# KiCad board TRS80IJP_1.kicad_pcb (continued)
## Routing (per net, layer and track width the routed paths; a pad name or vN(x,y) marks a point on that pad's centre or on a via; arc(x,y) is an arc through that point) (continued)
  Bottom w1.5: CN1.3 396.87,4.17 CN2.3
/CPU/A6: length 633
  Top w0.25: v1(396.85,32.87) 388.19,32.87 386.65,31.33 v1(386.65,30.85) 386.64,30.86 363.74,30.86 363.28,30.4 358.38,30.4 357.87,30.91 352.15,30.91 350.75,32.31 Z68.3 ; 108.45,106.21 108.53,106.13 109.94,106.13 109.95,106.14 ; v1(113.53,106.14) 109.95,106.14 ; 109.95,106.14 109.93,106.12 ; v1(374.12,171.91) 375.65,173.44 E1.38 ; v1(114.39,91.52) 114.41,91.54 124.06,91.54 125.58,90.14 144.69,90.2 144.79,90.19 157.97,90.27 157.98,90.28 159.09,90.28 171.54,77.83 174.72,77.83 177.02,75.54 Z41.2 181.74,75.54 182.94,74.33 188.64,74.33 190,75.61 Z42.2 195.38,75.61 196.65,74.34 202.69,74.34 203.07,74.72 205,74.72 205.3,74.42 210.44,74.42 211.74,75.65 211.79,75.61 Z43.2 v1(224.04,75.61)
  Bottom w0.25: 387.27,4.68 387.27,30.28 386.7,30.85 v1(386.65,30.85) ; v1(396.85,32.87) 396.85,41.21 395.26,42.8 395.29,52.52 395.3,53.57 395.3,54.26 384.62,64.94 384.84,77.29 386.13,80.55 386.31,140.2 386.28,140.79 386.22,141.38 381.55,144.2 380.31,144.96 378.46,146.05 378.17,146.34 378.17,165.44 374.12,169.49 v1(374.12,171.91) ; Z68.3 346.04,32.26 347.06,32.26 348.79,30.53 348.79,21.26 348.7,13.55 348.63,13.39 346.99,11.75 318.35,11.69 312.66,15.36 301.46,15.25 294.3,6.76 232.11,6.36 228.95,9.44 228.74,34.5 228.39,35 228.46,44.4 222.9,48.88 223.43,74.73 223.43,75 v1(224.04,75.61) ; Z13.11 186.46,103.16 186.09,86.17 187.18,85.04 191.6,85.04 195.3,81.34 195.3,77.26 Z42.2 ; v1(114.39,91.52) 114.39,93.46 113.41,94.44 113.41,106.02 v1(113.53,106.14)
  Bottom w1.5: CN2.7 386.86,4.17 386.88,4.19
/CPU/A7: length 626.6
  Top w0.25: 108.45,113.83 114.83,113.83 v1(114.86,113.8) ; v1(114.84,95.15) 114.97,95.02 114.97,94.18 116.62,92.53 124.38,92.53 125.95,90.96 159.74,90.96 172.01,78.69 175.75,78.69 176.38,78.06 176.4,78.08 Z41.1 181.58,78.08 182.73,76.92 188.71,76.92 190,78.21 192.82,78.21 192.85,78.24 193.56,78.24 Z42.1 199.14,78.15 v1(200.29,77) 210.5,77 211.68,78.15 Z43.1 219.55,78.15 v1(219.65,78.25) ; v1(391.8,34.68) 391.56,34.44 386.21,34.44 v1(383.98,32.21) 363.94,32.21 362.22,33.93 359.3,33.93 357.68,32.31 Z68.18 ; v1(372.21,168.85) 372.21,172.51 373.11,173.41 E1.36
  Bottom w0.25: Z14.3 194.32,109.31 194.32,86.58 200.29,80.61 v1(200.29,77) ; Z68.18 349.69,29.14 349.43,13.03 347.28,10.88 315.27,10.78 309.03,4.35 298.87,4.35 296.34,6.05 231.79,5.69 228.09,9.21 228.09,34.27 227.61,34.75 227.63,44.01 222.15,48.6 222.5,74.93 222.49,75.28 219.65,78.12 v1(219.65,78.25) ; v1(372.21,168.85) 376.25,164.81 376.25,145.26 379.28,143.39 383.9,140.72 384.13,140.46 384.08,81.06 382.79,77.71 382.69,64.26 391.56,55.05 391.56,34.92 v1(391.8,34.68) ; v1(114.84,95.15) 115.75,96.06 115.75,112.91 v1(114.86,113.8) ; v1(383.98,32.21) 384.73,31.46 384.73,4.68
  Bottom w1.5: CN2.8 384.36,4.16 384.38,4.19
/CPU/A8: length 702.6
  Top w0.25: v1(360.63,147.34) 357.48,147.34 355.15,149.67 350.77,149.67 349.37,148.27 342.66,148.27 v1(342.04,147.65) ; v1(197.26,75.85) 197.5,75.61 Z42.23 210.46,75.61 211.74,76.89 220.75,76.89 220.99,77.13 227.55,77.13 Z43.23 ; v1(156.96,4.5) 156.96,3.61 157.95,2.62 204.13,2.57 212.57,7.11 v1(213.24,7.92) 214.06,8.74 216.86,8.74 217.57,8.03 217.57,6.08 218.83,4.82 296.44,4.82 298.03,3.23 309.18,3.23 315.05,9.1 327.74,9.1 329.57,7.27 372.81,7.32 375.65,11.31 375.85,11.69 378.9,11.69 v1(378.94,11.73) ; Z14.6 190.78,105.23 190.19,105.23 189.08,106.35 167.96,106.35 166.35,107.95 166.35,109.1 164.25,111.2 161.91,111.2 160.69,109.98 v1(159.3,109.98) ; 100.83,116.37 v1(104.04,116.37) ; v1(379.37,53.2) 378.94,52.78 353.56,52.78
  Bottom w0.25: E1.11 343.13,178.34 343.13,170.42 342.39,169.68 342.39,156.89 341.13,155.63 341.13,148.56 v1(342.04,147.65) ; v1(104.04,116.37) 104.04,119.49 106.7,122.15 155.8,122.15 157.52,120.43 157.52,111.76 v1(159.3,109.98) ; v1(197.26,75.85) 197.36,75.95 197.36,80.47 192.6,85.23 192.6,103.41 Z14.6 ; v1(213.24,7.92) 213.24,9.03 212.54,9.73 212.54,30.63 211.2,31.97 211.2,40.65 211.39,40.84 211.39,74.4 210.18,75.61 Z42.23 ; v1(378.94,11.73) 379.16,11.95 379.16,37.96 380.18,38.98 380.18,52.39 v1(379.37,53.2) 378.78,53.79 378.84,59.24 376.89,61.85 376.92,79.86 378.45,83.21 378.51,101.84 375.61,104.01 375.59,118.46 375.62,119.46 359.31,137.75 359.31,146.02 v1(360.63,147.34)
/CPU/A9: length 726.7
  Top w0.25: v1(380.56,58.21) 355.06,58.21 354.71,57.86 353.56,57.86 ; Z43.22 222.01,73.07 220.63,74.45 211.73,74.45 210.35,73.07 Z42.22 203.91,73.07 v1(203.87,73.11) ; v1(154.43,4.66) 154.43,5.36 155.55,6.48 158.17,6.48 161.33,3.32 203.11,3.32 203.99,3.34 211.01,8.22 211.01,8.9 v1(211.06,8.95) 211.76,9.65 217.49,9.65 218.37,8.77 218.37,6.84 218.27,6.74 218.27,6.67 219.28,5.66 296.9,5.66 298.63,3.93 308.78,3.93 314.8,9.95 328.35,9.95 330.29,8.01 371.58,8.01 374.91,12.95 375.32,13.68 v1(380.29,13.72) ; v1(198.85,89.45) 198.31,89.99 168.64,89.99 v1(166.94,88.29) ; v1(361.55,144.77) 361.15,144.37 346.8,144.37 v1(346.75,144.32)
  Bottom w0.25: v1(166.94,88.29) 166.94,90.64 164.67,92.91 164.67,118.55 160.25,122.97 106.34,122.97 102.58,119.21 102.58,110.11 101.22,108.75 100.83,108.75 ; Z42.22 209.87,73.07 210.51,72.43 210.51,62.94 210.63,62.82 210.63,41.8 210.38,41.55 210.38,31.31 211.33,30.36 211.33,9.22 v1(211.06,8.95) ; v1(203.87,73.11) 204.19,73.43 204.19,84.11 v1(198.85,89.45) 196.98,96.08 197,100.69 Z14.10 ; v1(346.75,144.32) 349.17,146.74 349.17,158.09 350.37,159.29 350.37,170.01 349.76,170.62 349.76,172.63 350.25,173.12 E1.17 ; v1(361.55,144.77) 360.26,143.79 360.19,138.01 376.54,119.78 376.52,104.69 376.48,104.65 378.81,102.75 379.33,102.33 379.27,83.17 377.88,79.07 377.85,62.21 380.56,58.41 v1(380.56,58.21) 381.41,57.36 381.41,38.82 380.29,37.7 v1(380.29,13.72)
/CPU/D0: length 517.9
  Top w0.25: v1(174.11,83.41) 188.2,83.41 189.64,84.85 191.49,84.85 193.09,83.25 222.98,83.25 224.18,82.05 246.06,82.05 248.38,80.56 249.7,79.69 253.22,77.26 253.91,76.81 254.42,76.46 265.91,76.46 266.9,77.45 278.6,77.45 279.73,78.58 285.41,78.58 286.49,77.5 286.78,77.5 286.8,77.52 291.52,77.52 294.01,75.03 303.31,75.03 v1(304.36,76.08) ; Z12.12 169.25,97.31 168.23,98.33 v1(166.42,98.33) ; Z24.13 353.53,115.04 351.24,115.04 349.96,116.32 342.34,116.32 341.18,115.16 Z23.17 336.02,115.16 334.62,113.76 318.18,113.76 316.85,115.09 Z22.2 ; v1(376.62,132.43) 376.06,131.87 359.22,131.72 356.23,132.99 RP1.7 353.48,133.08 353.15,132.75 349.55,132.63 346.72,131.46 342.38,131.44 341.73,132.09 336.35,132.09 v1(335.87,131.61) ; E1.30 365.49,171.23 v1(362.94,168.68)
  Bottom w0.25: v1(304.36,76.08) 305.13,76.85 305.13,80.54 303.53,82.14 303.53,85 305.2,85.93 307.67,87.37 308.44,88.14 308.44,109.08 308.42,109.1 308.42,110.49 Z22.2 ; Z4.13 45.74,113.04 45.74,120.37 48.74,123.37 54.16,123.37 58.64,127.85 73.96,127.93 76.27,125.57 107.56,125.37 109.22,123.79 160.67,123.8 165.6,119.03 165.6,98.89 166.16,98.33 v1(166.42,98.33) ; v1(362.94,168.68) 369.39,163.48 371.6,161.7 371.6,142.4 371.62,142.38 376.4,139.61 379.1,138.02 379.1,134.91 v1(376.62,132.43) ; Z12.12 173.03,94.92 173.03,86.18 174.11,85.1 v1(174.11,83.41) ; v1(335.87,131.61) 335.87,117.71 338.3,115.28 338.3,115.1
/CPU/D1: length 517.5
  Top w0.25: v1(310.58,117.86) 309.07,116.35 302.3,116.35 301.04,115.09 301.03,115.1 Z21.2 ; Z24.3 338.18,117.63 Z23.18 335.66,117.7 334.19,116.23 325.43,116.23 v1(325.22,116.43) ; v1(172.01,84.48) 172.47,84.94 173.3,84.94 173.33,84.91 188.35,84.91 189.15,85.71 192.2,85.71 193.78,84.13 223.54,84.13 224.8,82.87 246.03,82.82 246.67,82.76 255.01,77.34 265.44,77.49 266.31,78.36 278.37,78.36 279.68,79.67 286.18,79.67 287.3,78.55 292,78.55 293.35,77.2 v1(295.23,77.2) ; Z12.11 170.4,95.01 v1(166.89,95.01) ; v1(353.97,168.7) 353.97,172.4 355.33,173.76 E1.22 ; v1(362.22,141.8) 361.12,140.7 RP1.4 336.65,140.7 v1(336.63,140.72) ; v1(310.46,127.13) 312.74,129.41 v1(325.26,129.41)
  Bottom w0.25: Z12.11 172.01,93.4 v1(172.01,84.48) ; v1(336.63,140.72) 336.61,140.7 336.61,134.33 337.81,133.13 337.81,124.8 336.82,123.81 336.82,119.12 338.3,117.64 ; v1(310.58,117.86) 310.46,117.98 v1(310.46,127.13) ; Z21.2 296.16,113.58 296.16,89.45 297.58,88.03 297.58,81.29 295.23,78.94 v1(295.23,77.2) ; v1(325.26,129.41) 325.82,128.85 325.82,117.03 v1(325.22,116.43) ; v1(362.22,141.8) 363.14,142.72 363.14,142.99 363.01,143.12 363.01,148.5 362.42,149.09 362.59,158.7 356.55,163.35 356.05,163.7 355.37,164.2 353.97,165.37 v1(353.97,168.7) ; Z4.12 44.79,111.45 44.79,120.9 48.23,124.34 53.96,124.34 58.24,128.62 74.42,128.62 76.72,126.32 108.24,126.32 109.86,124.7 161.29,124.7 166.54,119.45 166.36,103.42 167.61,99.93 167.59,97.57 166.89,96.87 v1(166.89,95.01)
/CPU/D2: length 488
  Top w0.25: Z20.2 281.52,115.09 280.25,116.36 215.61,116.36 214.31,117.66 214.31,118.38 213.62,119.07 211.37,119.07 208.62,116.33 196.48,116.33 193.93,113.78 189.53,113.78 188.88,113.13 186.61,113.13 185.99,113.75 173.07,113.75 171.87,112.55 Z12.18 ; v1(367.58,168.78) 367.58,173.1 368.06,173.58 368.03,173.61 E1.32 ; Z24.11 353.5,109.93 351.12,109.93 349.74,111.31 342.38,111.31 341.15,110.08 Z23.15 ; v1(280.11,128.04) 282.5,130.43 295.52,130.36 298.34,136.03 298.67,136.71 306.95,136.77 312.17,130.63 331.44,130.63 331.89,130.18 340.7,130.18 v1(340.86,130.34) 341.06,130.54 RP1.8 374.54,130.54 374.99,130.09 377.6,130.09 v1(377.76,130.25)
  Bottom w0.25: Z4.4 41.1,111.29 43.06,113.25 43.06,121.71 47.42,126.07 53.17,126.07 57.22,130.12 75.54,130.12 77.49,128.17 108.91,128.17 110.83,126.25 161.89,126.25 168.18,119.96 168.18,114.53 170.16,112.55 Z12.18 ; Z20.2 282.09,116.82 282.09,118.61 280.62,120.08 280.62,123.95 280.11,124.46 v1(280.11,128.04) ; Z23.15 338.65,110.08 341.41,112.84 341.41,129.79 v1(340.86,130.34) ; v1(377.76,130.25) 380.11,132.6 380.11,138.59 375.23,141.48 372.52,143.1 372.52,162.59 367.9,166.82 367.66,167.08 367.58,167.16 v1(367.58,168.78)
/CPU/D3: length 571.5
  Top w0.25: v1(372.78,129.06) 360.63,129.06 360.24,129.45 356.58,129.45 355.13,128 RP1.9 353.92,127.98 352.18,127.98 351.08,129.08 v1(345.97,129.08) 345.72,128.83 335.18,128.83 334.69,129.32 333.21,129.32 332.92,129.03 328.57,129.03 v1(328.29,129.31) ; E1.26 360.42,178.83 360.42,173.76 358.44,171.78 358.44,168.92 v1(358.67,168.69) ; Z12.17 173.78,110.01 175.05,111.28 194.12,111.28 196.57,113.73 210.1,113.73 v1(210.19,113.82) ; v1(338.45,83.26) 338.94,83.75 343.25,83.75 344.98,82.02 347.29,82.02 348.6,80.71 Z30.11 ; v1(328.27,132.03) 327.78,131.54 312.65,131.54 307.29,137.59 298.35,137.54 296.12,133.36 294.94,131.28 281.24,131.28 278.05,128.09 265.17,128.09 v1(264.93,127.85) ; v1(267.34,89.58) 264.19,89.58 262.6,87.99 248.75,87.99 248.05,88.69 245.9,88.69 245.32,88.11 242.32,88.11 241.55,88.88 239.96,88.88 239.13,88.05 237.39,88.05 236.35,89.09 234.86,89.09 233.8,88.03 232.37,88.03 231.51,88.89 229.41,88.89 228.63,88.11 225.15,88.11 224.18,87.14 215.35,87.14 213.69,88.8 v1(210.05,88.8)
  Bottom w0.25: v1(338.45,83.26) 338.45,99.74 338.27,99.92 338.11,99.92 338.22,99.92 344.56,106.26 344.56,123.97 346.17,125.58 346.17,128.88 v1(345.97,129.08) ; Z12.17 170.25,110.01 169.12,111.14 169.12,111.14 167.38,112.87 167.38,119.71 161.62,125.47 110.39,125.47 108.66,127.22 77.13,127.19 74.91,129.35 57.67,129.35 53.56,125.24 47.73,125.24 44.04,121.55 44.04,111.68 41.11,108.75 Z4.5 ; v1(264.93,127.85) 267.9,124.88 267.9,115.8 268.61,115.09 Z19.2 268.14,113.45 268.14,94.37 267.31,93.54 267.31,89.61 v1(267.34,89.58) ; v1(372.78,129.06) 372.78,129.69 371.39,131.08 371.39,138.53 369.12,139.88 367.99,140.61 368.13,159.27 367.93,159.49 360.11,165.49 358.83,166.56 358.83,168.53 v1(358.67,168.69) ; v1(210.19,113.82) 210.19,88.94 v1(210.05,88.8) ; v1(328.27,132.03) 328.27,129.33 v1(328.29,129.31)
/CPU/D4: length 350.7
  Top w0.25: v1(341.11,145.87) 341.63,146.39 v1(346.05,146.39) 351.11,146.39 351.72,145.78 RP1.2 ; E1.18 350.25,173.92 349.78,173.45 349.78,173.43 348.83,172.48 v1(348.83,168.73) ; v1(341.03,87.38) 341.33,87.08 349.81,87.08 351.1,85.79 Z30.13 ; v1(342.89,102.29) 342.65,102.53 339.87,102.5 338.99,102.5 338.98,102.51 338.16,102.51 Z23.12 ; v1(250.87,127.52) 252.76,129.41 278.17,129.41 280.89,132.13 294.49,132.13 294.51,132.11 294.81,132.74 297.38,137.96 297.7,138.46 307.62,138.47 312.92,132.39 326.35,132.43 327.5,133.58 336.11,133.58 336.87,132.82 341.69,132.82 341.7,132.83 342.32,132.83 342.72,132.43 344.86,132.43 v1(345.29,132.86)
  Bottom w0.25: v1(346.05,146.39) 348.17,148.51 348.17,158.44 349.49,159.76 349.49,168.07 v1(348.83,168.73) ; Z12.16 172.26,109.09 172.26,120.47 174.23,122.44 181.85,122.44 185.72,126.31 194.17,126.31 201.67,133.81 234.14,133.81 238.56,129.39 249,129.39 v1(250.87,127.52) 250.87,123.08 252.64,121.31 252.64,116.95 Z18.2 ; v1(342.89,102.29) 343.06,102.29 345.19,100.16 345.19,95.42 340.99,91.22 340.99,87.42 v1(341.03,87.38) ; Z23.12 338.5,102.85 338.5,103.17 338.83,103.5 343.83,108.18 343.83,124.51 344.9,125.58 344.9,132.47 v1(345.29,132.86) 345.29,134.66 343.18,136.77 343.18,143.8 v1(341.11,145.87)
/CPU/D5: length 358.4
  Top w0.25: v1(373.94,134.18) 372.81,133.05 360.27,132.85 356.49,135.24 RP1.6 352.58,135.62 350.52,133.56 347.74,133.56 346.63,134.67 343.47,134.67 343.04,134.24 v1(343.04,134.18) 342.76,133.9 337.45,133.9 336.91,134.44 327.04,134.44 325.97,133.37 313.15,133.34 303.93,144.64 299.1,144.61 298.01,142.14 297.66,141.27 297.35,140.55 296.68,138.78 295.89,137 295.19,135.52 294.43,133.89 293.97,132.98 293.96,132.99 280.59,132.99 277.76,130.16 252.45,130.16 251.08,129.09 249.57,128.81 247.85,127.68 v1(241.82,127.84) ; 353.56,104.99 350.18,104.99 348.76,103.57 345.11,103.57 343.68,105 Z23.13 ; v1(361.26,171.58) 362.9,173.22 362.9,178.8 E1.28
  Bottom w0.25: Z12.15 173,105.75 173.15,119.83 174.89,121.57 182.27,121.57 186.17,125.47 194.11,125.56 202.04,132.95 233.52,132.95 238.63,127.84 v1(241.82,127.84) 241.21,127.23 241.21,116.15 242.27,115.09 Z17.2 ; 338.37,105.07 343.02,109.72 343.02,124.89 344.05,125.92 344.05,133.21 343.08,134.18 v1(343.04,134.18) ; v1(361.26,171.58) 361.03,171.35 361.03,167.25 369.85,160.24 369.7,141.63 371.47,140.5 374.15,139.09 374.2,139.04 374.2,134.44 v1(373.94,134.18)
/CPU/D6: length 418.7
  Top w0.25: Z59.3 166.23,32.5 v1(166.25,32.47) ; v1(219.17,127.76) 220.75,129.34 249.95,129.34 250.91,130.3 251.8,130.3 252.37,130.87 277.17,130.87 280.04,133.74 293.25,133.74 293.42,133.91 294.22,135.47 295.74,139.04 297.18,142.47 298.58,145.54 304.11,145.52 304.29,145.34 313.59,134.19 315.62,134.22 322.87,134.22 326.95,138.3 329.51,138.3 330.2,137.61 333.41,137.61 333.86,138.06 v1(340.89,138.06) 352.05,138.06 352.06,138.05 353.83,138.05 RP1.5 354.17,137.93 364.46,137.93 v1(364.64,137.75) ; E1.24 357.87,173.66 v1(356.02,171.81) ; 345.94,107.53 338.46,107.53 338.37,107.61
  Bottom w0.25: v1(364.64,137.75) 365.25,138.36 365.25,148.93 364.5,149.68 364.52,159.32 361.82,161.46 356.47,165.71 356.44,166.06 356.44,171.39 v1(356.02,171.81) ; v1(340.89,138.06) 341.71,137.24 341.74,137.24 341.78,137.2 341.78,133.18 343.23,131.73 343.24,131.73 343.24,126.18 342.22,125.16 342.22,110.89 338.96,107.63 338.96,107.61 338.89,107.54 Z23.14 ; Z16.2 230.41,115.09 229.47,116.03 229.47,121.81 223.5,127.78 219.19,127.78 v1(219.17,127.76) 215.09,131.84 204,131.84 202.5,131.82 200.2,130.07 194.55,124.73 186.57,124.73 182.63,120.79 175.69,120.79 173.84,118.94 173.84,105.59 Z12.14 168.4,100.15 168.4,73.59 167.06,72.25 167.06,68 168.43,66.63 168.43,55.7 166.73,54 166.73,40.12 166,39.39 166,32.72 v1(166.25,32.47)
/CPU/D7: length 531
  Top w0.25: v1(80.68,5.22) 80.88,5.22 81.9,6.23 87.61,6.21 88.06,6.65 96.18,6.62 97.48,5.2 106.38,5.2 108.91,7.73 117.59,7.73 117.97,7.35 130.34,7.35 132.14,9.15 140.49,9.15 140.51,9.13 140.75,9.13 143.23,11.61 160.19,11.61 162.86,8.94 v1(165.15,8.94) ; v1(166.21,27.32) 166.12,27.42 Z59.5 ; E1.20 352.79,173.47 v1(351.03,171.71) ; RP1.3 348.57,143.24 v1(347.55,142.22) 339.69,142.22 v1(339.68,142.21) 338.51,142.21 334.45,146.27 297.85,146.41 294.8,139.33 292.66,134.64 292.65,134.63 279.62,134.63 276.63,131.64 252.41,131.64 251.88,131.39 250.22,130.66 248.53,129.98 216.85,130.14 v1(215.26,128.55) 215.26,122.63 v1(215.24,122.61) ; 338.3,112.56 338.35,112.61 345.94,112.61
  Bottom w0.25: v1(351.03,171.71) 351.36,171.38 351.36,159.28 350.14,158.06 350.14,144.81 v1(347.55,142.22) ; 338.3,112.56 338.7,112.56 340.56,114.42 340.56,128.64 339.45,129.75 339.45,131.81 340.79,133.15 340.79,135.84 339.36,137.27 339.36,141.89 v1(339.68,142.21) ; v1(80.68,5.22) 80.67,5.22 75.95,9.94 75.95,13.2 73.54,15.61 73.54,22.7 72.12,24.12 72.12,30.75 Z53.2 ; v1(165.15,8.94) 165.15,9.06 165.93,9.84 165.93,13.36 168.05,15.48 168.05,25.48 v1(166.21,27.32) 166.21,27.4 167.81,29 167.81,34.58 167.22,35.17 167.22,40.3 167.66,40.74 167.66,53.74 169.14,55.22 169.14,67.49 167.92,68.71 167.92,71.91 169.45,73.44 169.45,91.01 169.14,91.32 169.14,98.35 Z12.13 171.81,100.99 172.51,102.03 172.81,102.54 174.6,105.4 174.61,105.51 174.7,118.58 176.23,120.11 182.4,120.11 182.42,120.09 183.24,120.09 187.1,123.95 195.17,123.95 200.52,129.3 214.51,129.3 v1(215.26,128.55) ; v1(215.24,122.61) 214.67,122.04 214.67,116.48 215.9,115.25 216.43,115.25 Z15.2
/CPU/UA0: length 39
  Top w0.25: v1(341.1,16.02) 341.5,15.62 341.86,15.62 341.9,15.66 350.56,15.66 352.04,14.18 353.26,14.18 Z68.11
  Bottom w0.25: v1(341.1,16.02) 336.67,20.45 336.67,36.68 Z48.30
/CPU/UA1: length 31
  Top w0.25: Z68.8 341.89,19.61 v1(341.09,18.81)
  Bottom w0.25: v1(341.09,18.81) 337.68,22.22 337.68,39.31 335.69,40.9 Z48.31
/CPU/UA2: length 39.5
  Top w0.25: Z68.13 353.41,19.41 352.06,19.41 350.71,20.76 346.69,20.76 346.68,20.77 341.62,20.77 341.11,21.28 v1(341.11,21.37)
  Bottom w0.25: Z48.32 335.79,43.92 338.79,40.92 338.79,23.65 341.07,21.37 v1(341.11,21.37)
/CPU/UA3: length 30.3
  Bottom w0.25: Z48.33 335.96,46.46 339.89,42.53 339.89,25.96 341.24,24.61 341.32,24.69 Z68.6
/CPU/UA4: length 39
  Top w0.25: v1(341.74,26.29) 342.14,25.89 350.79,25.89 352.3,24.38 353.3,24.38 Z68.15
  Bottom w0.25: v1(341.74,26.29) 341.14,26.89 341.14,43.87 341.12,43.89 335.96,48.08 Z48.34
/CPU/UA5: length 28.7
  Bottom w0.25: Z48.35 335.76,50.96 342.06,45.4 342.06,31.05 342.09,30.76 343.13,29.78 343.4,29.75 Z68.4
/CPU/UA6: length 37.6
  Top w0.25: Z68.17 351.93,29.77 351.89,29.73 350.61,31.01 344.19,31.01 v1(343.68,31.52)
  Bottom w0.25: v1(343.68,31.52) 343.41,31.79 343.41,32.09 343.45,32.13 343.45,46.45 335.72,53.66 Z48.36
/CPU/UA7: length 26.9
  Bottom w0.25: Z68.2 344.29,36.55 344.29,48.05 335.78,55.81 Z48.37
/CPU/UA8: length 13.1
  Top w0.25: Z49.6 344.72,55.32 344.6,55.2 340.64,59.16 Z48.38
/CPU/UA9: length 12.1
  Top w0.25: Z49.4 345.78,60.23 342.27,60.23 340.8,61.7 Z48.39
/CPU/UA10: length 11.9
  Top w0.25: Z48.40 344.71,64.24 Z49.2
/CPU/UA11: length 36
  Top w0.25: Z48.1 320.21,64.24 321.51,62.94 340.77,62.94 342,61.71 346.8,61.71 346.81,61.7 350.66,61.7 351.93,60.43 351.93,60.34 351.99,60.4 Z49.17
/CPU/UA12: length 36.9
  Top w0.25: Z48.2 320.61,60.36 340.82,60.36 344.66,56.52 350.74,56.52 351.94,55.32 Z49.15
/CPU/UA13: length 38.6
  Top w0.25: Z48.3 320.42,59.16 321.81,57.77 339.98,57.77 340.5,57.7 344.09,52.45 344.91,51.42 349.99,51.43 350.54,51.42 350.79,51.4 352,50.25 352.03,50.24 Z49.13
/CPU/UA14: length 29.9
  Top w0.25: Z49.8 344.7,50.12 344.37,50.13 344.04,50.71 340.69,55.26 321.76,55.26 320.4,56.62 Z48.4
/CPU/UA15: length 38.5
  Top w0.25: Z49.11 353.37,44.96 352.03,44.96 350.64,46.35 344.62,46.35 341.83,50.18 329.34,50.18 326.78,52.74 321.8,52.74 320.46,54.08 Z48.5
/CPU/UD0: length 97.5
  Bottom w0.25: 330.75,117.77 336,112.52 336,84.79 325.83,74.62 325.83,69.78 327.86,67.75 327.91,39.53 Z48.14
/CPU/UD1: length 102.9
  Bottom w0.25: Z48.15 328.94,39.31 328.94,67.98 326.98,69.94 326.98,74.54 337,84.56 337,114.06 330.75,120.31
/CPU/UD2: length 86.2
  Bottom w0.25: Z48.12 320.46,36.3 325.62,41.46 325.62,67.44 323.98,69.08 323.98,75.19 334.39,85.6 334.39,109.05 330.75,112.69
/CPU/UD3: length 62.3
  Bottom w0.25: 330.75,102.53 329.44,101.22 329.44,84.78 320.59,75.93 320.59,68.19 322.31,66.47 322.31,49.5 Z48.8
/CPU/UD4: length 62.2
  Bottom w0.25: Z48.7 321.17,50.9 321.17,66.47 319.52,68.12 319.52,76.19 328.31,84.98 328.31,102.63 330.75,105.07
/CPU/UD5: length 71.8
  Bottom w0.25: 330.75,107.61 332.5,105.86 332.5,86.3 321.81,75.61 321.81,68.43 323.28,66.96 323.28,46.74 320.46,43.92 Z48.9
/CPU/UD6: length 77.3
  Bottom w0.25: Z48.10 320.75,41.89 324.43,45.96 324.44,67.23 322.95,68.72 322.95,75.39 333.41,85.85 333.41,107.49 330.75,110.15
/CPU/UD7: length 91.7
  Bottom w0.25: Z48.13 321.56,35.4 326.75,40.55 326.9,67.55 325.03,69.42 325.03,74.93 335.27,85.17 335.27,110.71 330.75,115.23
/KEYBOARD & EDGE CONNECTOR/MD0: length 366.5
  Top w0.25: v1(247.04,57) 242.93,61.11 235.76,61.11 231.23,56.58 224.11,56.58 222.86,57.83 Z43.9 211.48,57.83 210.29,56.64 204.88,56.64 203.69,57.83 Z42.9 ; v1(365.36,120.2) 365.25,120.31 RP2.3 357.7,120.31 355.08,117.69 351,117.69 349.73,118.95 335.47,118.95 334.9,118.38 332.58,118.38 331.92,119.04 v1(323.68,119.04) ; v1(254.61,79.62) 254.61,79.44 255.68,78.37 264.88,78.37 265.85,79.34 278.1,79.34 279.33,80.57 287.03,80.57 288.14,79.46 299.09,79.46 301.27,77.28 304.04,77.28 305.69,78.93 310.96,78.93 v1(311.72,78.17)
  Bottom w0.25: v1(254.61,79.62) 254.61,78.21 249.71,73.31 249.71,64.59 249.75,64.55 246.87,61.67 246.87,57.17 v1(247.04,57) ; v1(365.36,120.2) 365.61,119.95 365.1,114.11 364.59,111.06 364.59,94.8 365.61,92.52 365.86,91.25 365.36,88.71 365.1,72.2 365.1,44.26 365.36,44 368.66,41.97 374.25,38.67 374.25,8.44 377.11,5.58 377.11,4.68 ; v1(323.68,119.04) 323,118.36 323,114.91 Z22.14 323.45,109.74 323.45,85.66 320.66,82.87 314.06,82.87 311.72,80.53 v1(311.72,78.17)
  Bottom w1.5: 376.88,4.19 376.86,4.16 CN2.11
/KEYBOARD & EDGE CONNECTOR/MD1: length 380.8
  Top w0.25: v1(316.83,112.82) 315.19,112.82 314.14,113.87 309.91,113.87 308.58,112.55 305.35,112.55 ; v1(252.69,80.99) 255.33,80.99 257.18,79.14 264.05,79.14 265.18,80.27 277.59,80.27 278.71,81.39 287.65,81.39 288.67,80.37 301.83,80.37 v1(303.15,79.05) ; v1(316.83,120.15) 321.78,120.15 323.09,121.46 332.17,121.46 332.66,121.95 334.74,121.95 335.21,121.48 340.86,121.48 342.12,120.23 345.94,120.23 346.02,120.15 350.05,120.15 351.22,118.98 354.77,118.98 355.65,119.86 355.65,121.59 357.12,123.06 360.14,123.06 ; v1(245.89,54.31) 245.65,54.55 232.82,54.55 232.37,54.1 224.09,54.1 222.9,55.29 Z43.10 211.61,55.29 210.33,54.01 206.69,54.01 206.05,53.37 198.75,53.37 196.83,55.29 Z42.10
  Bottom w0.25: v1(316.83,120.15) v1(316.83,112.82) ; v1(303.15,79.05) 303.15,80 302.63,80.52 302.63,85.46 307.27,88.39 307.31,88.42 307.36,88.47 307.36,111.34 306.15,112.55 305.35,112.55 ; v1(252.69,80.99) 252.69,78.13 248.92,74.36 248.92,65.06 245.5,61.64 245.5,54.9 245.89,54.51 v1(245.89,54.31) ; 374.38,4.19 374.38,3.69 373.65,2.96 366.61,3 364.85,1.27 CN2.16 ; 373.08,7.69 374.54,6.29 374.57,5.97 374.57,4.68 ; 373.07,7.7 373.06,38.26 368.73,40.89 364.34,43.59 364.44,88.66 364.83,90.07 364.83,92 364.13,93.17 363.69,94.44 363.44,97.4 363.72,110.12 364.17,116.56 363.47,121.2 361.8,122.32 RP2.2
/KEYBOARD & EDGE CONNECTOR/MD2: length 376.4
  Top w0.25: v1(268.71,87.4) 269.13,87.82 290.69,87.82 v1(291.39,87.12) 292.35,88.08 316.24,88.08 317.69,89.53 317.69,91.51 322.32,96.14 322.32,109.07 324.53,111.28 333.67,111.28 336.21,113.82 349.44,113.82 350.68,112.57 350.72,112.61 353.69,112.61 353.98,112.32 356.93,112.32 358.42,113.81 358.42,114.87 358.78,115.23 RP2.5 ; Z42.11 197.58,52.75 198.29,52.04 206.49,52.04 207.01,51.52 210.55,51.52 211.78,52.75 Z43.11 214.03,52.95 214.4,52.95 222.47,52.89 225.6,51.49 231.9,51.49 232.56,52.15 240.47,52.15 241.22,51.4 243.39,51.4 244.92,52.93 248.09,52.93 251.69,56.53 256.24,56.53 v1(257.03,55.74) ; CN2.10 379.36,1.94 378.69,2.61 373.88,2.61 372.67,3.82 372.67,3.83 372.31,4.19 371.88,4.19
  Bottom w0.25: v1(291.39,87.12) 293.23,88.96 293.23,97.73 293.74,98.24 293.74,111.26 292.45,112.55 Z20.14 ; 372.03,4.68 372.03,37.91 369.93,39.18 369.45,39.43 368.18,40.19 367.39,40.7 364.59,42.48 363.73,43.09 363.58,43.24 363.58,90.23 363.83,90.74 363.83,92.01 362.82,93.79 362.82,114.87 362.56,115.12 360.12,115.12 RP2.5 ; v1(268.71,87.4) 271.18,84.93 271.14,80.29 264.38,76.05 264.26,72.24 257.03,65.01 v1(257.03,55.74)
/KEYBOARD & EDGE CONNECTOR/MD3: length 340.9
  Top w0.25: v1(362.47,91.31) 363.74,90.04 363.74,83.88 363.14,83.28 v1(361.42,83.28) 353.71,83.28 353.67,83.24 351.98,83.24 350.56,84.65 327.91,84.65 325.26,81.87 310.26,81.87 309.07,80.68 304,80.68 303.46,81.22 289.15,81.22 288.33,82.04 287.23,82.04 286.94,82.33 278.01,82.33 277.51,81.83 v1(276.2,81.83) 275.95,81.58 265.13,81.58 263.56,80.01 257.69,80.01 255.09,82.61 251.02,82.61 v1(250.7,82.29) ; Z42.13 210.73,50.21 211.99,51.47 215.91,51.47 216.45,52.01 222.41,51.99 224.87,50.93 225.92,50.43 226.49,50.22 226.47,50.21 Z43.13 231.99,50.21 232.92,51.14 239.82,51.14 240.55,50.41 245.03,50.41 v1(245.69,51.07) ; CN2.13 369.38,3.74 369.38,4.19
  Bottom w0.25: v1(361.42,83.28) 362.56,82.14 362.82,42.73 363.07,42.48 364.34,41.72 370.85,37.4 370.85,6.04 369.49,4.68 ; v1(250.7,82.29) 250.7,77.28 248.04,74.62 248.04,65.44 244,61.4 244,58.1 244.52,57.58 244.52,54.93 244.16,54.57 244.16,52.6 v1(245.69,51.07) ; RP2.7 361.11,110.15 361.78,109.48 361.78,93.41 361.77,93.4 361.77,92.01 v1(362.47,91.31) ; v1(276.2,81.83) 276.77,82.8 279.32,89.45 279.41,101.97 279.42,101.98 279.42,110.54 279.41,110.54 Z19.14
